# Altium PCB PCB22.PcbDoc (part 13 of 16) (continued)
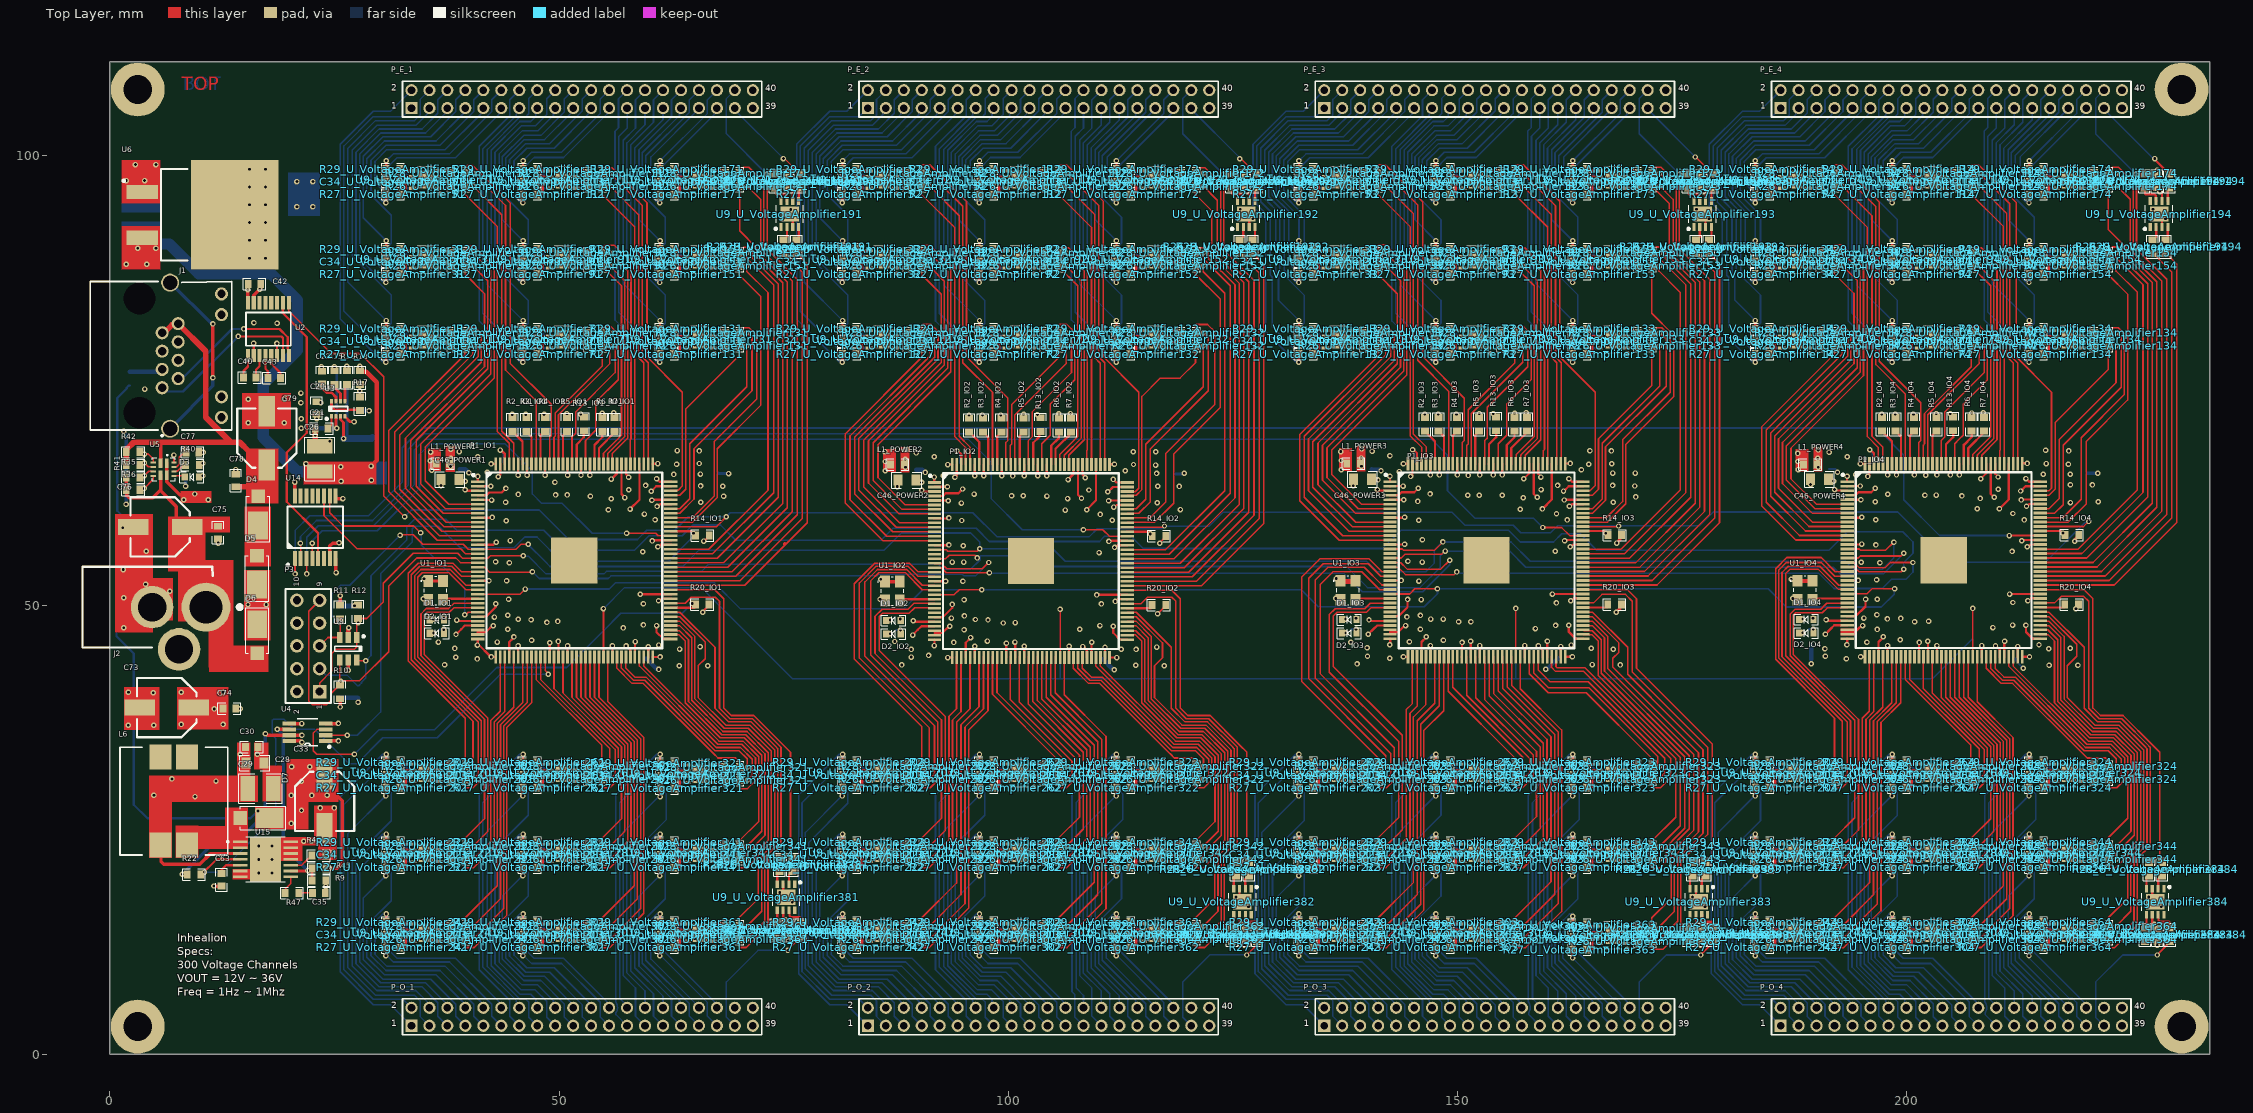
[diagram p0: Top Layer view]
## Nets (pads, with @x,y where several pads share a name; then routed paths per layer and width w, separated by ;. In a path a pad name is that pad's centre, name@x,y a point inside that pad or via, vN(x,y) a via of type N, cw(c..) or ccw(c..) an arc to the next point about the centre after c; other vN are vias at no path point) (continued)
  Bottom Layer w0.178: P_E_4.13@197.96,105.33 197.96,105.013 197.648,104.701 197.648,104.526 193.909,100.787 193.909,82.488 198.376,78.021 R29_U_VoltageAmplifier84.2@198.376,77.957
V_OUT242: P_E_4.18 R27_U_VoltageAmplifier94.2 | length 27.5
  Top Layer w0.254: v1(198.365,85.919) 198.365,86.836 R27_U_VoltageAmplifier94.2@198.376,86.847
  Bottom Layer w0.178: v1(198.365,85.919) 198.282,86.002 198.019,86.002 195.261,88.76 195.261,100.431 198.175,103.345 199.746,103.345 201.01,104.609 201.01,106.38 P_E_4.18@201.96,107.33
V_OUT243: P_E_4.20 R29_U_VoltageAmplifier94.2 | length 23.1
  Top Layer w0.254: R29_U_VoltageAmplifier94.2@198.376,89.641 198.388,89.653 v1(198.388,90.569)
  Bottom Layer w0.178: v1(198.388,90.569) 196.067,92.89 196.067,99.912 198.447,102.292 200.369,102.292 202.948,104.871 202.948,106.318 P_E_4.20@203.96,107.33
V_OUT244: P_E_4.19 R27_U_VoltageAmplifier104.2 | length 21.4
  Bottom Layer w0.178: R27_U_VoltageAmplifier104.2@198.376,89.641 198.376,89.705 198.959,90.288 198.959,92.897 196.462,95.394 196.462,99.784 198.502,101.824 200.774,101.824 203.632,104.682 203.632,104.685 203.96,105.013 P_E_4.19@203.96,105.33
V_OUT245: P_E_4.17 R29_U_VoltageAmplifier104.2 | length 23.2
  Bottom Layer w0.178: R29_U_VoltageAmplifier104.2@198.376,86.847 198.376,86.911 195.711,89.576 195.711,100.227 198.273,102.789 200.02,102.789 201.772,104.542 201.772,105.142 P_E_4.17@201.96,105.33
V_OUT246: P_E_4.22 R27_U_VoltageAmplifier114.2 | length 19.5
  Top Layer w0.254: v1(198.365,94.809) 198.365,95.726 R27_U_VoltageAmplifier114.2@198.376,95.737
  Bottom Layer w0.178: v1(198.365,94.809) 198.282,94.892 198.019,94.892 196.875,96.035 196.875,99.576 198.682,101.382 201.344,101.382 204.993,105.031 204.993,106.363 P_E_4.22@205.96,107.33
V_OUT247: P_E_4.24 R29_U_VoltageAmplifier114.2 | length 14.7
  Top Layer w0.254: R29_U_VoltageAmplifier114.2@198.376,98.531 198.388,98.543 v1(198.388,99.459)
  Bottom Layer w0.178: v1(198.388,99.459) 199.33,100.401 202.659,100.401 206.977,104.719 206.977,106.347 P_E_4.24@207.96,107.33
V_OUT248: P_E_4.23 R27_U_VoltageAmplifier124.2 | length 12.7
  Bottom Layer w0.178: R27_U_VoltageAmplifier124.2@198.376,98.531 198.376,98.595 199.61,99.829 202.895,99.829 207.736,104.669 207.736,105.106 P_E_4.23@207.96,105.33
V_OUT249: P_E_4.21 R29_U_VoltageAmplifier124.2 | length 15.4
  Bottom Layer w0.178: R29_U_VoltageAmplifier124.2@198.376,95.737 198.376,95.801 197.373,96.804 197.373,99.468 198.78,100.875 201.867,100.875 205.653,104.661 205.653,104.705 205.96,105.013 P_E_4.21@205.96,105.33
V_OUT250: P_E_4.26 R27_U_VoltageAmplifier134.2 | length 34
  Top Layer w0.254: v1(213.605,77.029) 213.605,77.946 R27_U_VoltageAmplifier134.2@213.616,77.957
  Bottom Layer w0.178: P_E_4.26@209.96,107.33 209.018,106.388 209.018,103.169 208.621,102.772 208.621,98.34 208.625,98.336 208.625,87.525 208.621,87.521 208.621,81.75 213.259,77.112 213.522,77.112 v1(213.605,77.029)
V_OUT251: P_E_4.28 R29_U_VoltageAmplifier134.2 | length 29.3
  Top Layer w0.254: R29_U_VoltageAmplifier134.2@213.616,80.751 213.628,80.763 v1(213.628,81.679)
  Bottom Layer w0.178: P_E_4.28@211.96,107.33 210.902,106.272 210.902,103.119 209.529,101.746 209.529,85.778 v1(213.628,81.679)
V_OUT252: P_E_4.27 R27_U_VoltageAmplifier144.2 | length 27.4
  Bottom Layer w0.178: P_E_4.27@211.96,105.33 211.96,103.467 209.943,101.45 209.943,88.772 214.199,84.516 214.199,81.398 213.616,80.815 R27_U_VoltageAmplifier144.2@213.616,80.751
V_OUT253: P_E_4.25 R29_U_VoltageAmplifier144.2 | length 29.7
  Bottom Layer w0.178: P_E_4.25@209.96,105.33 209.96,103.117 209.036,102.192 209.036,82.601 213.616,78.021 R29_U_VoltageAmplifier144.2@213.616,77.957
V_OUT254: P_E_4.30 R27_U_VoltageAmplifier154.2 | length 25.3
  Top Layer w0.254: v1(213.605,85.919) 213.605,86.836 R27_U_VoltageAmplifier154.2@213.616,86.847
  Bottom Layer w0.178: v1(213.605,85.919) 213.522,86.002 213.259,86.002 210.377,88.883 210.377,101.233 212.902,103.757 212.902,106.272 P_E_4.30@213.96,107.33
V_OUT255: P_E_4.32 R29_U_VoltageAmplifier154.2 | length 20.6
  Top Layer w0.254: R29_U_VoltageAmplifier154.2@213.616,89.641 213.628,89.653 v1(213.628,90.569)
  Bottom Layer w0.178: v1(213.628,90.569) 211.285,92.912 211.285,100.68 214.902,104.297 214.902,106.272 P_E_4.32@215.96,107.33
V_OUT256: P_E_4.31 R27_U_VoltageAmplifier164.2 | length 18.8
  Bottom Layer w0.178: R27_U_VoltageAmplifier164.2@213.616,89.641 213.616,89.705 214.199,90.288 214.199,93.188 211.641,95.747 211.641,100.365 215.795,104.519 215.795,105.165 P_E_4.31@215.96,105.33
V_OUT257: P_E_4.29 R29_U_VoltageAmplifier164.2 | length 20.9
  Bottom Layer w0.178: R29_U_VoltageAmplifier164.2@213.616,86.847 213.616,86.911 210.811,89.715 210.811,100.878 213.96,104.026 P_E_4.29@213.96,105.33
V_OUT258: P_E_4.34 R27_U_VoltageAmplifier174.2 | length 16.7
  Top Layer w0.254: v1(213.605,94.809) 213.605,95.726 R27_U_VoltageAmplifier174.2@213.616,95.737
  Bottom Layer w0.178: v1(213.605,94.809) 213.522,94.892 213.259,94.892 212.055,96.096 212.055,100.029 216.902,104.876 216.902,106.272 P_E_4.34@217.96,107.33
V_OUT259: P_E_4.36 R29_U_VoltageAmplifier174.2 | length 11.4
  Top Layer w0.254: R29_U_VoltageAmplifier174.2@213.616,98.531 213.628,98.543 v1(213.628,99.459)
  Bottom Layer w0.178: v1(213.628,99.459) 218.902,104.733 218.902,106.272 P_E_4.36@219.96,107.33
V_OUT260: P_E_4.35 R27_U_VoltageAmplifier184.2 | length 9.1
  Bottom Layer w0.178: R27_U_VoltageAmplifier184.2@213.616,98.531 213.616,98.595 219.736,104.714 219.736,104.789 219.886,104.938 P_E_4.35@219.96,104.938
V_OUT261: P_E_4.33 R29_U_VoltageAmplifier184.2 | length 12.2
  Bottom Layer w0.178: R29_U_VoltageAmplifier184.2@213.616,95.737 213.616,95.801 212.613,96.804 212.613,99.897 217.96,105.244 P_E_4.33@217.96,105.33
V_OUT262: P_E_4.38 R27_U_VoltageAmplifier194.2 | length 12.5
  Top Layer w0.254: v1(225.509,97.973) 226.426,97.973 R27_U_VoltageAmplifier194.2@226.437,97.962
  Bottom Layer w0.178: P_E_4.38@221.96,107.33 221.018,106.388 221.018,102.464 v1(225.509,97.973)
V_OUT263: P_E_4.37 R29_U_VoltageAmplifier194.2 | length 10.2
  Top Layer w0.254: v1(227.616,99.71) 227.616,99.577 R29_U_VoltageAmplifier194.2@229.231,97.962
  Bottom Layer w0.178: P_E_4.37@221.96,105.33 221.96,105.191 227.263,99.888 v1@227.345,99.806
V_OUT264: P_O_4.3 R27_U_VoltageAmplifier204.2 | length 34.6
  Top Layer w0.254: v1(183.125,28.769) 183.125,29.686 R27_U_VoltageAmplifier204.2@183.136,29.697
  Bottom Layer w0.178: v1@183.148,28.841 179.015,24.707 179.015,21.802 178.993,21.781 178.993,9.721 179.015,9.7 179.015,9.524 181.958,6.58 186.297,6.58 186.923,5.954 186.923,4.227 P_O_4.3@187.96,3.19
V_OUT265: P_O_4.1 R29_U_VoltageAmplifier204.2 | length 37.7
  Top Layer w0.254: R29_U_VoltageAmplifier204.2@183.136,32.491 183.148,32.503 v1(183.148,33.419)
  Bottom Layer w0.178: v1@183.125,33.491 183.042,33.408 182.779,33.408 178.256,28.885 178.256,8.985 181.711,5.53 183.62,5.53 P_O_4.1@185.96,3.19
V_OUT266: P_O_4.2 R27_U_VoltageAmplifier214.2 | length 34.1
  Bottom Layer w0.178: R27_U_VoltageAmplifier214.2@183.136,32.499 178.635,27.998 178.635,9.221 181.72,6.136 185.014,6.136 P_O_4.2@185.96,5.19
V_OUT267: P_O_4.4 R29_U_VoltageAmplifier214.2 | length 32.7
  Bottom Layer w0.178: R29_U_VoltageAmplifier214.2@183.136,29.769 183.136,29.705 183.719,29.122 183.719,26.004 179.349,21.633 179.349,9.869 182.102,7.115 186.447,7.115 187.736,5.827 187.736,5.414 P_O_4.4@187.96,5.19
V_OUT268: P_O_4.7 R27_U_VoltageAmplifier224.2 | length 26.6
  Top Layer w0.254: v1(183.125,19.879) 183.125,20.796 R27_U_VoltageAmplifier224.2@183.136,20.807
  Bottom Layer w0.178: v1@183.148,19.951 180.603,17.406 180.603,10.554 182.788,8.369 188.113,8.369 190.902,5.58 190.902,4.248 P_O_4.7@191.96,3.19
V_OUT269: P_O_4.5 R29_U_VoltageAmplifier224.2 | length 30.9
  Top Layer w0.254: R29_U_VoltageAmplifier224.2@183.136,23.601 183.148,23.613 v1(183.148,24.529)
  Bottom Layer w0.178: v1@183.125,24.601 183.042,24.518 182.779,24.518 179.789,21.528 179.789,10.092 182.36,7.52 187.135,7.52 188.902,5.753 188.902,4.248 P_O_4.5@189.96,3.19
V_OUT270: P_O_4.6 R27_U_VoltageAmplifier234.2 | length 26.7
  Bottom Layer w0.178: R27_U_VoltageAmplifier234.2@183.136,23.673 183.136,23.609 180.207,20.68 180.207,10.29 182.532,7.964 187.536,7.964 189.647,5.853 189.647,5.82 189.96,5.507 P_O_4.6@189.96,5.19
V_OUT271: P_O_4.8 R29_U_VoltageAmplifier234.2 | length 25
  Bottom Layer w0.178: R29_U_VoltageAmplifier234.2@183.136,20.879 183.136,20.815 183.719,20.232 183.719,17.114 180.999,14.394 180.999,10.818 182.965,8.852 188.704,8.852 191.736,5.82 191.736,5.414 P_O_4.8@191.96,5.19
V_OUT272: P_O_4.11 R27_U_VoltageAmplifier244.2 | length 17.8
  Top Layer w0.254: v1(183.125,10.989) 183.125,11.906 R27_U_VoltageAmplifier244.2@183.136,11.917
  Bottom Layer w0.178: v1@183.148,11.061 183.92,10.289 190.193,10.289 194.902,5.58 194.902,4.248 P_O_4.11@195.96,3.19
V_OUT273: P_O_4.9 R29_U_VoltageAmplifier244.2 | length 23
  Top Layer w0.254: R29_U_VoltageAmplifier244.2@183.136,14.711 183.148,14.723 v1(183.148,15.639)
  Bottom Layer w0.178: v1@183.125,15.711 183.042,15.628 182.779,15.628 181.461,14.31 181.461,10.994 183.12,9.335 189.146,9.335 192.902,5.58 192.902,4.248 P_O_4.9@193.96,3.19
V_OUT274: P_O_4.10 R27_U_VoltageAmplifier254.2 | length 18.9
  Bottom Layer w0.178: R27_U_VoltageAmplifier254.2@183.136,14.783 183.136,14.719 181.901,13.484 181.901,11.126 183.195,9.832 189.703,9.832 193.664,5.871 193.664,5.803 193.96,5.507 P_O_4.10@193.96,5.19
V_OUT275: P_O_4.12 R29_U_VoltageAmplifier254.2 | length 15.9
  Bottom Layer w0.178: R29_U_VoltageAmplifier254.2@183.136,11.989 183.136,11.925 184.351,10.711 190.868,10.711 195.736,5.843 195.736,5.414 P_O_4.12@195.96,5.19
V_OUT276: P_O_4.15 R27_U_VoltageAmplifier264.2 | length 30.9
  Top Layer w0.254: v1(198.365,28.769) 198.365,29.686 R27_U_VoltageAmplifier264.2@198.376,29.697
  Bottom Layer w0.178: v1@198.388,28.841 194.416,24.869 194.416,9.789 198.026,6.179 198.664,6.179 199.018,5.824 199.018,4.132 P_O_4.15@199.96,3.19
V_OUT277: P_O_4.13 R29_U_VoltageAmplifier264.2 | length 35.3
  Top Layer w0.254: R29_U_VoltageAmplifier264.2@198.376,32.491 198.388,32.503 v1(198.388,33.419)
  Bottom Layer w0.178: P_O_4.13@197.96,3.19 196.902,4.248 196.902,6.028 193.496,9.434 193.496,28.885 198.019,33.408 198.282,33.408 v1@198.365,33.491
V_OUT278: P_O_4.14 R27_U_VoltageAmplifier274.2 | length 30.9
  Bottom Layer w0.178: P_O_4.14@197.96,5.19 197.96,5.507 197.648,5.819 197.648,5.994 193.909,9.733 193.909,28.032 198.376,32.499 R27_U_VoltageAmplifier274.2@198.376,32.563
V_OUT279: P_O_4.16 R29_U_VoltageAmplifier274.2 | length 29.1
  Bottom Layer w0.178: R29_U_VoltageAmplifier274.2@198.376,29.769 198.376,29.705 198.959,29.122 198.959,26.606 194.848,22.494 194.848,9.881 198.044,6.684 199.23,6.684 199.782,6.132 P_O_4.16@199.782,5.368
V_OUT280: P_O_4.19 R27_U_VoltageAmplifier284.2 | length 23.1
  Top Layer w0.254: v1(198.365,19.879) 198.365,20.796 R27_U_VoltageAmplifier284.2@198.376,20.807
  Bottom Layer w0.178: v1@198.388,19.951 196.067,17.63 196.067,10.608 198.447,8.228 200.369,8.228 202.948,5.649 202.948,4.202 P_O_4.19@203.96,3.19
V_OUT281: P_O_4.17 R29_U_VoltageAmplifier284.2 | length 27.5
  Top Layer w0.254: R29_U_VoltageAmplifier284.2@198.376,23.601 198.388,23.613 v1(198.388,24.529)
  Bottom Layer w0.178: v1@198.365,24.601 198.282,24.518 198.019,24.518 195.261,21.76 195.261,10.089 198.175,7.175 199.746,7.175 201.01,5.911 201.01,4.14 P_O_4.17@201.96,3.19
V_OUT282: P_O_4.18 R27_U_VoltageAmplifier294.2 | length 23.2
  Bottom Layer w0.178: R27_U_VoltageAmplifier294.2@198.376,23.673 198.376,23.609 195.711,20.944 195.711,10.293 198.273,7.731 200.02,7.731 201.772,5.978 201.772,5.378 P_O_4.18@201.96,5.19
V_OUT283: P_O_4.20 R29_U_VoltageAmplifier294.2 | length 21.4
  Bottom Layer w0.178: R29_U_VoltageAmplifier294.2@198.376,20.879 198.376,20.815 198.959,20.232 198.959,17.623 196.462,15.126 196.462,10.736 198.502,8.696 200.774,8.696 203.632,5.838 203.632,5.835 203.96,5.507 P_O_4.20@203.96,5.19
V_OUT284: P_O_4.23 R27_U_VoltageAmplifier304.2 | length 14.7
  Top Layer w0.254: v1(198.365,10.989) 198.365,11.906 R27_U_VoltageAmplifier304.2@198.376,11.917
  Bottom Layer w0.178: v1@198.388,11.061 199.33,10.119 202.659,10.119 206.977,5.801 206.977,4.173 P_O_4.23@207.96,3.19
V_OUT285: P_O_4.21 R29_U_VoltageAmplifier304.2 | length 19.5
  Top Layer w0.254: R29_U_VoltageAmplifier304.2@198.376,14.711 198.388,14.723 v1(198.388,15.639)
  Bottom Layer w0.178: v1@198.365,15.711 198.282,15.628 198.019,15.628 196.875,14.485 196.875,10.944 198.682,9.138 201.344,9.138 204.993,5.489 204.993,4.157 P_O_4.21@205.96,3.19
V_OUT286: P_O_4.22 R27_U_VoltageAmplifier314.2 | length 15.4
  Bottom Layer w0.178: R27_U_VoltageAmplifier314.2@198.376,14.783 198.376,14.719 197.373,13.716 197.373,11.052 198.78,9.645 201.867,9.645 205.653,5.859 205.653,5.815 205.96,5.507 P_O_4.22@205.96,5.19
V_OUT287: P_O_4.24 R29_U_VoltageAmplifier314.2 | length 12.7
  Bottom Layer w0.178: R29_U_VoltageAmplifier314.2@198.376,11.989 198.376,11.925 199.61,10.691 202.895,10.691 207.736,5.851 207.736,5.414 P_O_4.24@207.96,5.19
V_OUT288: P_O_4.27 R27_U_VoltageAmplifier324.2 | length 29.3
  Top Layer w0.254: v1(213.605,28.769) 213.605,29.686 R27_U_VoltageAmplifier324.2@213.616,29.697
  Bottom Layer w0.178: P_O_4.27@211.96,3.19 210.902,4.248 210.902,7.401 209.529,8.774 209.529,24.742 v1@213.628,28.841
V_OUT289: P_O_4.25 R29_U_VoltageAmplifier324.2 | length 34
  Top Layer w0.254: R29_U_VoltageAmplifier324.2@213.616,32.491 213.628,32.503 v1(213.628,33.419)
  Bottom Layer w0.178: P_O_4.25@209.96,3.19 208.72,4.43 208.72,4.634 ccw(c207.96,5.19) 208.902,5.19 ccw(c207.759,5.19) 208.681,5.865 208.681,28.83 213.259,33.408 213.522,33.408 v1@213.605,33.491
V_OUT290: P_O_4.26 R27_U_VoltageAmplifier334.2 | length 29.5
  Bottom Layer w0.178: P_O_4.26@209.96,5.19 209.96,5.41 209.147,6.223 209.147,28.03 R27_U_VoltageAmplifier334.2@213.616,32.499
V_OUT291: P_O_4.28 R29_U_VoltageAmplifier334.2 | length 27.5
  Bottom Layer w0.178: P_O_4.28@211.96,5.19 211.96,7.053 209.943,9.07 209.943,21.748 214.343,26.147 214.343,28.979 R29_U_VoltageAmplifier334.2@213.616,29.705
V_OUT292: P_O_4.31 R27_U_VoltageAmplifier344.2 | length 20.6
  Top Layer w0.254: v1(213.605,19.879) 213.605,20.796 R27_U_VoltageAmplifier344.2@213.616,20.807
  Bottom Layer w0.178: v1@213.628,19.951 211.285,17.608 211.285,9.84 214.902,6.223 214.902,4.248 P_O_4.31@215.96,3.19
V_OUT293: P_O_4.29 R29_U_VoltageAmplifier344.2 | length 25.3
  Top Layer w0.254: R29_U_VoltageAmplifier344.2@213.616,23.601 213.628,23.613 v1(213.628,24.529)
  Bottom Layer w0.178: v1@213.605,24.601 213.522,24.518 213.259,24.518 210.377,21.637 210.377,9.287 212.902,6.763 212.902,4.248 P_O_4.29@213.96,3.19
V_OUT294: P_O_4.30 R27_U_VoltageAmplifier354.2 | length 20.9
  Bottom Layer w0.178: R27_U_VoltageAmplifier354.2@213.616,23.673 213.616,23.609 210.811,20.805 210.811,9.642 213.96,6.494 P_O_4.30@213.96,5.19
V_OUT295: P_O_4.32 R29_U_VoltageAmplifier354.2 | length 18.8
  Bottom Layer w0.178: R29_U_VoltageAmplifier354.2@213.616,20.879 213.616,20.815 214.199,20.232 214.199,17.332 211.641,14.773 211.641,10.155 215.795,6.001 215.795,5.355 P_O_4.32@215.96,5.19
V_OUT296: P_O_4.35 R27_U_VoltageAmplifier364.2 | length 11.3
  Top Layer w0.254: v1(213.605,10.989) 213.605,11.906 R27_U_VoltageAmplifier364.2@213.616,11.917
  Bottom Layer w0.178: v1@213.605,10.735 218.112,6.227 218.461,6.227 218.902,5.787 218.902,4.248 P_O_4.35@219.96,3.19
V_OUT297: P_O_4.33 R29_U_VoltageAmplifier364.2 | length 16.7
  Top Layer w0.254: R29_U_VoltageAmplifier364.2@213.616,14.711 213.628,14.723 v1(213.628,15.639)
  Bottom Layer w0.178: v1@213.605,15.711 213.522,15.628 213.259,15.628 212.055,14.424 212.055,10.491 216.902,5.644 216.902,4.248 P_O_4.33@217.96,3.19
V_OUT298: P_O_4.34 R27_U_VoltageAmplifier374.2 | length 12.2
  Bottom Layer w0.178: R27_U_VoltageAmplifier374.2@213.616,14.719 212.514,13.617 212.514,10.722 217.96,5.276 P_O_4.34@217.96,5.19
V_OUT299: P_O_4.36 R29_U_VoltageAmplifier374.2 | length 9.1
  Bottom Layer w0.178: R29_U_VoltageAmplifier374.2@213.616,11.989 213.616,11.925 219.736,5.806 219.736,5.731 219.886,5.582 P_O_4.36@219.96,5.582
V_OUT300: P_O_4.37 R27_U_VoltageAmplifier384.2 | length 15.5
  Top Layer w0.254: v1(227.87,11.064) 227.87,11.102 229.314,12.547 R27_U_VoltageAmplifier384.2@229.303,12.558
  Bottom Layer w0.178: P_O_4.37@221.96,3.19 221.018,4.132 221.018,8.056 224.026,11.064 v1(227.87,11.064)
V_SENSE: J1.3 R46.2 R49.2 | length 3.7
  Bottom Layer w0.508: R46.2@2.191,75.969 R49.2@3.847,75.969 5.535,75.969 J1.3@5.808,76.242
VCC_3V3: C1_IO1.2 C1_IO2.2 C1_IO3.2 C1_IO4.2 C14.2 C42.2 L1_POWER1.1 L1_POWER2.1 L1_POWER3.1 L1_POWER4.1 L3_POWER1.1 L3_POWER2.1 L3_POWER3.1 L3_POWER4.1 P3.4 R10.1 R11.1 R22.1 U1_IO1.1 U1_IO1.4 U1_IO2.1 U1_IO2.4 U1_IO3.1 U1_IO3.4 U1_IO4.1 U1_IO4.4 U2.16 U4.7 U4.8 U6.4 U8.5 U14.7 U14.16 | length 50.9
  Top Layer w0.381: U2.16@15.357,83.669 15.357,85.702 C42.2@15.392,85.737 ; v1(17.304,35.702) 17.494,35.512 19.938,35.512 U4.7@19.951,35.524 21.36,35.524 v1(21.368,35.517) ; U4.8@19.951,34.889 21.19,34.889 v1@21.343,34.737 ; U14.16@20.581,62.169 20.581,63.717 v1@20.583,63.718 ; U14.7@24.481,55.193 24.481,56.602 24.792,56.913 25.456,56.913 v1(25.5,56.956) ; R10.1@25.612,39.586 25.629,39.569 25.629,38.684 v1(25.646,38.667) ; R11.1@25.615,50.005 25.621,50.011 25.621,51.049 v1(25.628,51.056) ; v1(26.503,42.757) 26.514,42.767 26.514,43.893 U8.5@26.524,43.903 ; U1_IO1.1@35.432,52.696 U1_IO1.4@37.082,52.696 ; U1_IO2.1@86.056,52.613 U1_IO2.4@87.706,52.613 ; U1_IO2.1@86.26,52.63 U1_IO2.4@87.91,52.63 ; U1_IO3.1@136.884,52.547 U1_IO3.4@138.534,52.547 ; U1_IO3.1@136.982,52.717 U1_IO3.4@138.632,52.717 ; U1_IO4.1@187.605,52.635 U1_IO4.4@189.255,52.635 ; U1_IO4.1@187.858,52.721 U1_IO4.4@189.508,52.721
  Bottom Layer w0.381: v1(8.046,20.04) 12.785,24.78 15.29,24.78 17.304,26.794 17.304,34.94 v1(17.304,35.702) ; L3_POWER1.1@67.687,64.673 67.7,64.66 68.847,64.66 v1(68.861,64.646) ; L3_POWER2.1@118.515,64.607 119.428,64.607 119.506,64.685 v1(119.567,64.685) ; L3_POWER4.1@220.112,64.699 220.12,64.69 221.255,64.69 v1(221.264,64.682)
  other v1: 21.368,34.737 85.79,52.875 187.134,52.88 34.962,52.941 136.511,52.963 20.583,63.706 169.785,64.71 86.294,64.968 35.812,65.026 137.058,65.076 187.925,65.094 86.289,65.993 187.889,65.993 35.666,66.076 137.048,66.106 187.86,66.888 35.694,67.039 86.261,67.095 136.995,67.103 15.351,85.114 15.534,88.63 17.312,88.63 15.534,90.611 17.312,90.611 15.534,92.592 17.312,92.592 15.534,94.574 17.312,94.574 15.534,96.555 17.312,96.555 15.534,98.536 17.312,98.536
VCC_5V: C8.2 C25.1 C26.2 C27.2 L4.2 R18.2 U6.3 | length 55.7
  Top Layer w0.508: R18.2@27.817,76.091 27.944,75.964 28.53,75.964 29.68,74.814 29.68,66.108 v1(29.061,65.49)
  Bottom Layer w1.27: 4.5,90.2 6.6,90.2 9.889,86.911 17.911,86.911 20.86,83.962 20.86,78.374 17.05,74.564 17.05,68.686 20.86,64.876 C27.2@23.357,64.876
  other v1: 25.722,63.793 29.102,63.902 25.699,65.397 21.812,65.735 27.822,76.571 1.822,87.958 4.108,87.958 3.092,89.736 5.124,89.736
VCC_12V: C19.2 C20.2 C28.2 C29.2 C30.2 C73.1 C74.2 D5.1 D6.1 L6.1 R15.2 R37.1 U3.2 U5.1 U5.8 U15.3 | length 30.3
  Top Layer w0.305: U3.2@25.171,71.038 25.171,69.783 v1(25.255,69.699)
  Top Layer w0.381: L6.1@5.631,23.294 5.683,23.241 5.683,21.463 5.734,21.463 6.008,21.189 10.017,21.189 11.192,22.363 U15.3@14.514,22.363 ; U5.1@6.329,65.821 U5.8@6.329,64.471 6.329,63.729 7.767,62.291 10.332,62.291
  Bottom Layer w0.305: C19.2@22.338,70.258 C19.2@22.897,69.699 ; v1(24.985,76.53) 25.255,76.26 v1(25.255,69.699)
  Bottom Layer w0.381: v1@8.415,63.517 8.423,63.524 R37.1@8.423,64.421
  Bottom Layer w0.508: C19.2@22.897,69.699 v1(25.255,69.699)
  other v1: 9.468,28.702 4.896,28.854 11.805,30.429 6.903,30.658 14.529,33.383 7.947,36.731 12.587,36.731 11.617,38.45 7.947,40.299 12.587,40.299 15.369,50.076 17.388,50.076 8.207,61.726 10.935,61.726 9.426,62.376 8.418,63.239 21.292,69.682 21.292,70.754 23.011,70.741
VCC_FPGA_IO1: C2_POWER1.1 C3_POWER1.1 C4_POWER1.1 C5_POWER1.1 C6_POWER1.1 C7_POWER1.1 C9_POWER1.1 C10_POWER1.2 C11_POWER1.2 C12_POWER1.1 C13_POWER1.1 C15_POWER1.1 C16_POWER1.1 C17_POWER1.1 C23_POWER1.1 C24_POWER1.1 C45_POWER1.1 C46_POWER1.2 C47_POWER1.1 C48_POWER1.1 C49_POWER1.1 C51_POWER1.1 C52_POWER1.1 C53_POWER1.1 C54_POWER1.1 C55_POWER1.2 C56_POWER1.2 C57_POWER1.1 C58_POWER1.1 C59_POWER1.1 C60_POWER1.1 C61_POWER1.1 C62_POWER1.1 C64_POWER1.1 C65_POWER1.1 C66_POWER1.1 C67_POWER1.1 C68_POWER1.1 C69_POWER1.2 C70_POWER1.2 C71_POWER1.2 C72_POWER1.2 L1_POWER1.2 L3_POWER1.2 P1_IO1.1 P1_IO1.2 P1_IO1.5 P1_IO1.9 P1_IO1.23 P1_IO1.31 P1_IO1.34 P1_IO1.35 P1_IO1.36 P1_IO1.37 P1_IO1.40 P1_IO1.49 P1_IO1.51 P1_IO1.67 P1_IO1.71 P1_IO1.72 P1_IO1.73 P1_IO1.82 P1_IO1.94 P1_IO1.103 P1_IO1.107 P1_IO1.108 P1_IO1.109 P1_IO1.115 P1_IO1.117 P1_IO1.128 P1_IO1.139 P1_IO1.143 P1_IO1.144 R1_IO1.1 R2_IO1.1 R3_IO1.1 R4_IO1.1 R5_IO1.1 R6_IO1.1 R7_IO1.1 R14_IO1.2 R20_IO1.2 | length 45.6
  Top Layer w0.254: v1(40.929,64.336) 40.929,63.745 P1_IO1.1@40.944,63.729 P1_IO1.1@40.95,63.723 ; 40.944,46.979 41.827,46.979 42.328,47.48 42.333,47.48 42.562,47.709 v1(42.658,47.709) ; P1_IO1.31@40.944,48.729 40.95,48.735 41.881,48.735 42.938,49.791 v1(42.938,50.147) ; P1_IO1.23@40.944,52.729 v1(42.187,52.729) ; P1_IO1.9@40.944,59.729 40.95,59.723 42.502,59.723 v1@42.571,59.792 ; P1_IO1.5@40.944,61.729 40.958,61.715 42.461,61.715 v1(42.475,61.701) ; P1_IO1.2@40.944,63.229 40.95,63.235 42.38,63.235 v1(42.387,63.242) ; P1_IO1.36@40.947,46.232 P1_IO1.36@40.944,46.229 40.944,45.721 42.424,44.241 P1_IO1.37@42.932,44.241 ; v1(42.424,65.72) 42.426,65.717 P1_IO1.144@42.932,65.717 P1_IO1.144@42.938,65.723 ; v1(43.225,64.308) 43.229,64.308 43.432,64.511 P1_IO1.143@43.432,65.717 ; P1_IO1.40@44.432,44.241 44.432,45.876 44.971,46.415 v1(44.971,46.469) ; v1(45.432,64.474) P1_IO1.139@45.432,65.717 ; P1_IO1.49@48.932,44.241 48.945,44.254 48.945,45.816 v1(48.957,45.829) ; v1(49.903,45.966) 49.928,45.941 49.928,44.245 P1_IO1.51@49.932,44.241 ; v1(50.932,64.474) P1_IO1.128@50.932,65.717 ; v1(55.814,64.044) 56.432,64.662 P1_IO1.117@56.432,65.717 ; P1_IO1.115@57.432,65.717 57.432,64.617 57.732,64.316 v1(57.732,64.245) ; v1(57.452,45.461) 57.531,45.461 57.909,45.083 57.909,44.264 P1_IO1.67@57.932,44.241 ; v1@59.956,45.321 59.931,45.296 P1_IO1.71@59.931,44.242 ; v1@60.286,62.695 60.82,63.229 P1_IO1.107@62.42,63.229 ; P1_IO1.72@60.432,44.241 P1_IO1.72@60.432,44.241 v1(61.236,44.242) ; P1_IO1.109@60.432,65.717 60.475,65.76 v1(60.981,65.76) ; v1(60.842,47.735) 60.842,46.989 61.579,46.252 62.397,46.252 P1_IO1.73@62.42,46.229 ; v1(60.844,64.065) 61.18,63.729 P1_IO1.108@62.42,63.729 ; v1(60.901,60.991) 60.998,60.991 61.236,61.229 P1_IO1.103@62.42,61.229 ; v1(60.998,56.492) 61.081,56.492 61.325,56.736 62.413,56.736 P1_IO1.94@62.42,56.729 ; v1(61.06,50.483) 61.156,50.483 61.425,50.752 62.398,50.752 P1_IO1.82@62.42,50.729 ; v1(65.988,49.214) 65.988,49.309 66.687,50.007 R20_IO1.2@66.687,50.071 ; v1(66.102,57.139) 66.147,57.139 66.712,57.703 R14_IO1.2@66.712,57.767 ; P1_IO1.71@59.931,44.242 P1_IO1.71@59.932,44.241
  other v1: 66.527,43.249 38.493,44.216 42.43,44.236 38.394,45.184 59.93,45.372 65.683,45.384 40.91,45.568 46.931,46.088 42.802,48.677 44.469,54.732 44.56,57.194 42.557,59.774 65.767,61.463 60.243,62.685 65.739,63.271 59.615,63.335 49.533,63.688 39.542,63.797 65.724,64.6 37.917,65.432 63.07,65.674 37.948,66.336 63.141,67.213 37.932,67.362 44.792,71.229 46.29,71.229 48.322,71.229 50.862,71.305 54.799,71.356 56.077,71.396
VCC_FPGA_IO2: C2_POWER2.1 C3_POWER2.1 C4_POWER2.1 C5_POWER2.1 C6_POWER2.1 C7_POWER2.1 C9_POWER2.1 C10_POWER2.2 C11_POWER2.2 C12_POWER2.1 C13_POWER2.1 C15_POWER2.1 C16_POWER2.1 C17_POWER2.1 C23_POWER2.1 C24_POWER2.1 C45_POWER2.1 C46_POWER2.2 C47_POWER2.1 C48_POWER2.1 C49_POWER2.1 C51_POWER2.1 C52_POWER2.1 C53_POWER2.1 C54_POWER2.1 C55_POWER2.2 C56_POWER2.2 C57_POWER2.1 C58_POWER2.1 C59_POWER2.1 C60_POWER2.1 C61_POWER2.1 C62_POWER2.1 C64_POWER2.1 C65_POWER2.1 C66_POWER2.1 C67_POWER2.1 C68_POWER2.1 C69_POWER2.2 C70_POWER2.2 C71_POWER2.2 C72_POWER2.2 L1_POWER2.2 L3_POWER2.2 P1_IO2.1 P1_IO2.2 P1_IO2.5 P1_IO2.9 P1_IO2.23 P1_IO2.31 P1_IO2.34 P1_IO2.35 P1_IO2.36 P1_IO2.37 P1_IO2.40 P1_IO2.49 P1_IO2.51 P1_IO2.67 P1_IO2.71 P1_IO2.72 P1_IO2.73 P1_IO2.82 P1_IO2.94 P1_IO2.103 P1_IO2.107 P1_IO2.108 P1_IO2.109 P1_IO2.115 P1_IO2.117 P1_IO2.128 P1_IO2.139 P1_IO2.143 P1_IO2.144 R1_IO2.1 R2_IO2.1 R3_IO2.1 R4_IO2.1 R5_IO2.1 R6_IO2.1 R7_IO2.1 R14_IO2.2 R20_IO2.2 R30.1 | length 44
  Top Layer w0.254: v1(91.738,45.502) 91.772,45.535 P1_IO2.36@91.772,46.163 P1_IO2.36@91.775,46.166 ; v1(91.756,64.27) 91.756,63.679 P1_IO2.1@91.772,63.663 P1_IO2.1@91.778,63.657 ; 91.772,46.913 92.655,46.913 93.156,47.414 93.161,47.414 93.39,47.643 v1(93.486,47.643) ; P1_IO2.31@91.772,48.663 91.778,48.669 92.709,48.669 93.766,49.725 v1(93.766,50.081) ; P1_IO2.23@91.772,52.663 v1(93.015,52.663) ; P1_IO2.9@91.772,59.663 91.778,59.657 93.33,59.657 v1@93.399,59.726 ; P1_IO2.5@91.772,61.663 91.786,61.649 93.289,61.649 v1(93.303,61.635) ; P1_IO2.2@91.772,63.163 91.778,63.169 93.208,63.169 v1(93.215,63.176) ; v1(93.251,65.654) 93.254,65.651 P1_IO2.144@93.76,65.651 P1_IO2.144@93.766,65.657 ; v1(93.257,44.17) 93.315,44.17 93.321,44.175 P1_IO2.37@93.76,44.175 ; v1(94.053,64.242) 94.057,64.242 94.26,64.445 P1_IO2.143@94.26,65.651 ; P1_IO2.40@95.26,44.175 95.26,45.81 95.799,46.349 v1(95.799,46.403) ; v1(96.26,64.408) P1_IO2.139@96.26,65.651 ; P1_IO2.49@99.76,44.175 99.773,44.188 99.773,45.75 v1(99.785,45.763) ; v1(100.731,45.9) 100.756,45.875 100.756,44.179 P1_IO2.51@100.76,44.175 ; v1(101.76,64.408) P1_IO2.128@101.76,65.651 ; v1(106.642,63.978) 107.26,64.596 P1_IO2.117@107.26,65.651 ; P1_IO2.115@108.26,65.651 108.26,64.551 108.56,64.25 v1(108.56,64.179) ; v1(108.28,45.395) 108.358,45.395 108.737,45.017 108.737,44.198 P1_IO2.67@108.76,44.175 ; v1@110.784,45.255 110.759,45.23 P1_IO2.71@110.759,44.176 ; v1@111.114,62.629 111.648,63.163 P1_IO2.107@113.248,63.163 ; P1_IO2.72@111.26,44.175 P1_IO2.72@111.26,44.175 v1(112.064,44.176) ; P1_IO2.109@111.26,65.651 111.302,65.694 v1(111.809,65.694) ; v1(111.67,47.669) 111.67,46.923 112.406,46.186 113.225,46.186 P1_IO2.73@113.248,46.163 ; v1(111.672,63.999) 112.008,63.663 P1_IO2.108@113.248,63.663 ; v1(111.729,60.925) 111.826,60.925 112.064,61.163 P1_IO2.103@113.248,61.163 ; v1(111.826,56.426) 111.909,56.426 112.153,56.67 113.241,56.67 P1_IO2.94@113.248,56.663 ; v1(111.888,50.417) 111.984,50.417 112.253,50.685 113.226,50.685 P1_IO2.82@113.248,50.663 ; v1(116.605,49.043) 116.616,49.043 117.515,49.941 R20_IO2.2@117.515,50.005 ; v1(116.856,56.892) 116.856,56.953 117.54,57.637 R14_IO2.2@117.54,57.701 ; P1_IO2.71@110.759,44.176 P1_IO2.71@110.76,44.175
  other v1: 117.365,43.251 89.191,44.231 89.201,45.072 110.758,45.306 116.532,45.336 97.672,46.009 93.659,48.57 95.036,54.8 94.97,56.616 93.385,59.708 106.344,60.586 116.572,61.394 111.071,62.619 116.631,63.241 90.342,63.667 100.493,64.393 116.492,64.669 88.54,65.35 113.931,65.661 88.521,66.236 113.913,67.091 88.555,67.28 95.62,71.163 97.118,71.163 99.15,71.163 101.69,71.239 105.627,71.29 106.905,71.33